# Altium PCB bqCNC.PcbDoc (part 3 of 6)
Units mm, origin at the board's own origin, x right, y up, seen from the top; angles counter-clockwise.
Board outline 136 x 100 mm, 4 copper layers (Top Layer, Power Layer, Signal Layer 1, GND Layer), stack 1.584 mm thick; 429 components, 259 nets, 1361 pads, 782 vias.
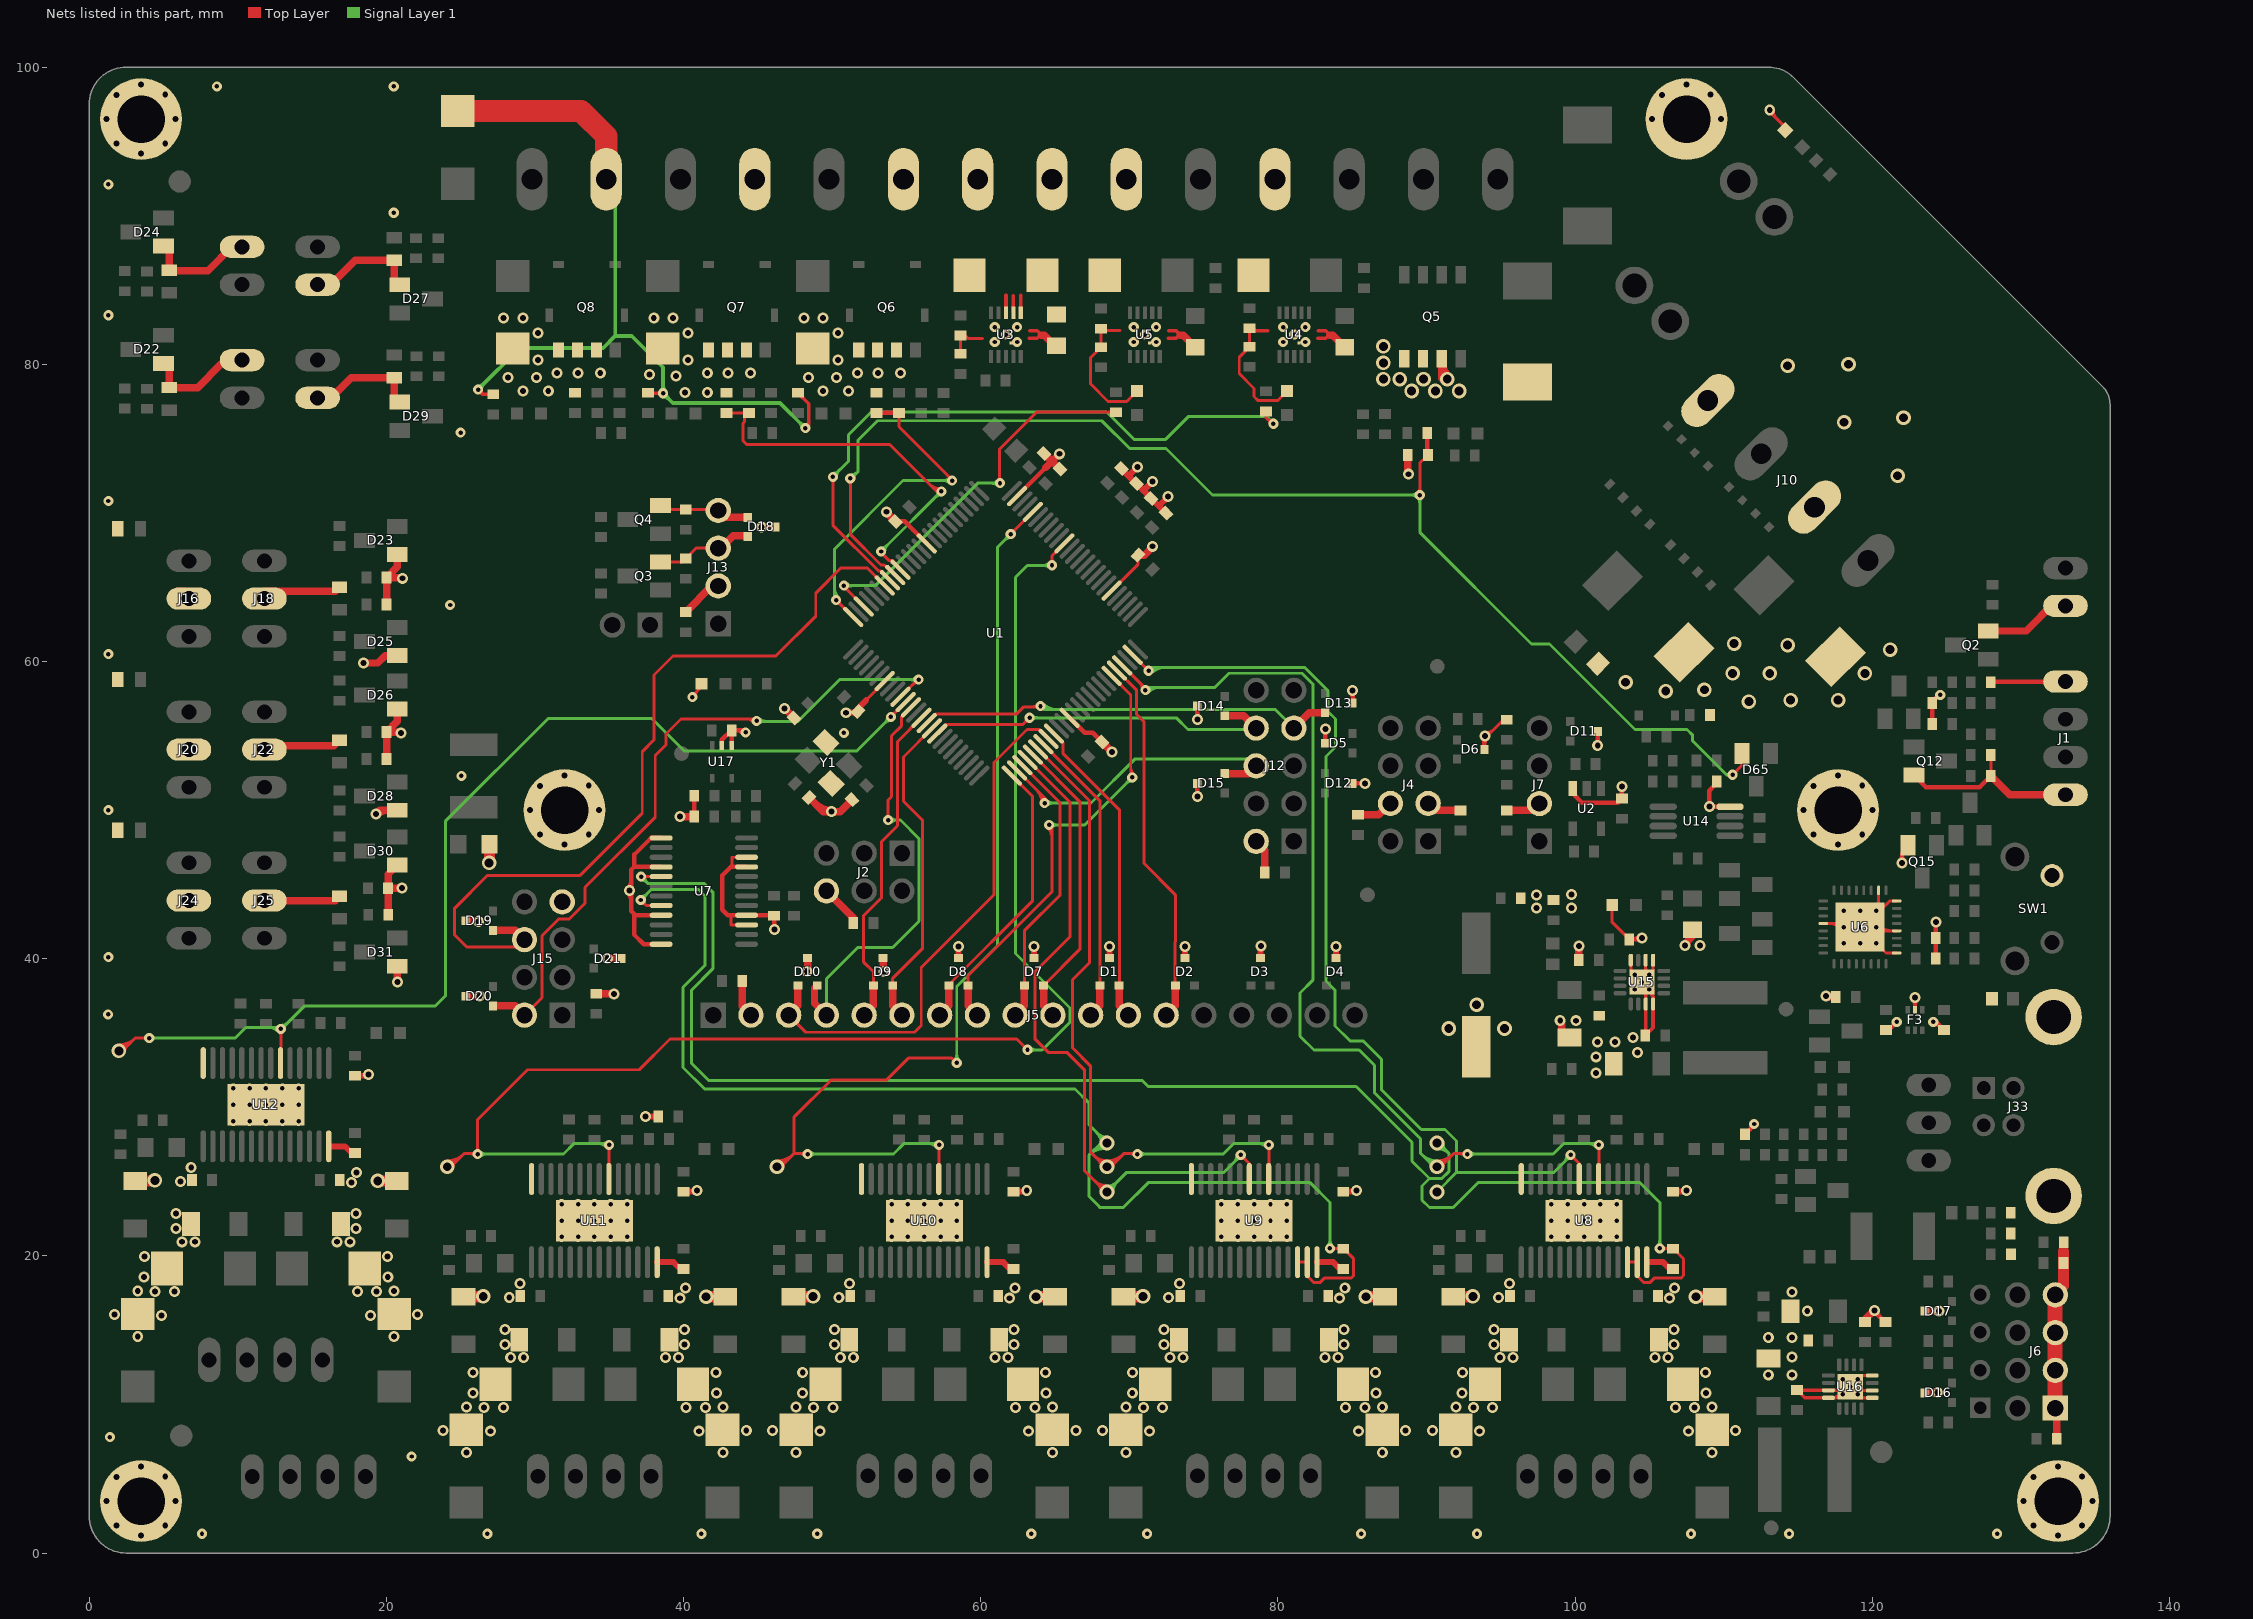
[diagram p5: the nets of this part, all layers, seen from the top]

## Via types
v1: diameter 0.66/0.74/0.74/0.66 (per signal layer), hole 0.4, Top Layer to GND Layer, 361 vias
v2: diameter 0.56/0.68/0.68/0.56 (per signal layer), hole 0.3, Top Layer to GND Layer, 323 vias
v3: diameter 0.86/0.98/0.98/0.86 (per signal layer), hole 0.6, Top Layer to GND Layer, 76 vias
v4: diameter 1, hole 0.6, Top Layer to GND Layer, tented bottom, 20 vias
v5: diameter 0.56/0.68/0.68/0.56 (per signal layer), hole 0.4, Top Layer to GND Layer, 1 vias
v6: diameter 0.56, hole 0.3, Top Layer to GND Layer, 1 vias

## Nets (pads, with @x,y where several pads share a name; then routed paths per layer and width w, separated by ;. In a path a pad name is that pad's centre, name@x,y a point inside that pad or via, vN(x,y) a via of type N, cw(c..) or ccw(c..) an arc to the next point about the centre after c; other vN are vias at no path point) (continued)
D29: D2.1 J5.13 U1.71 | length 25.1
  Top Layer w0.2: U1.71@69.167,59.39 70.498,58.058 70.498,56.427 71,55.925 71,46.4 73.1,44.3 73.1,41.166 73.07,41.136 73.07,38.226 D2.1@73.1,38.196
  Top Layer w0.5: J5.13@72.48,36.2 73.1,36.82 D2.1@73.1,38.196
D31: D1.2 J5.12 U1.59 | length 21.1
  Top Layer w0.2: U1.59@64.924,55.147 65.551,54.52 65.551,53.792 69.355,49.988 69.355,38.231 D1.2@69.32,38.196
  Top Layer w0.5: D1.2@69.32,38.196 69.32,36.82 J5.12@69.94,36.2
D32: D10.1 J5.3 U1.58 | length 36.4
  Top Layer w0.2: J5.3@47.08,36.2 48.23,35.05 55.55,35.05 56,35.5 56,39.4 60.9,44.3 60.9,53.2 63.12,55.42 63.944,55.42 U1.58@64.571,54.794
  Top Layer w0.5: J5.3@47.08,36.2 47.7,36.82 D10.1@47.7,38.196
D33: D1.1 J5.11 U1.57 | length 20.1
  Top Layer w0.2: U1.57@64.217,54.44 64.217,54.433 68.02,50.63 D1.1@68.02,38.196
  Top Layer w0.5: J5.11@67.4,36.2 68.02,36.82 D1.1@68.02,38.196
D35: D7.2 J5.10 U1.55 | length 20.1
  Top Layer w0.2: U1.55@63.51,53.733 66.675,50.568 66.675,40.631 D7.2@64.24,38.196
  Top Layer w0.5: D7.2@64.24,38.196 64.24,36.82 J5.10@64.86,36.2
D37: D7.1 J5.9 U1.53 | length 19.2
  Top Layer w0.2: U1.53@62.803,53.026 65.35,50.479 65.35,44.284 62.94,41.874 D7.1@62.94,38.196
  Top Layer w0.5: J5.9@62.32,36.2 62.94,36.82 62.94,37.482 62.922,37.501 62.922,38.178 D7.1@62.94,38.196
D39: D8.2 J5.8 U1.70 | length 34.2
  Top Layer w0.2: D8.2@59.16,38.196 59.16,38.86 64.8,44.5 v2@64.8,48.8 ; J5.8@59.78,36.2 J5.8@60,36.42 ; v2@64.473,48.873 cw(c63.683,48.083) 64.8,48.083 ; v2(64.6,49) v2@64.8,48.8 ; v2@64.614,49.014 cw(c64.165,48.565) 64.8,48.565 ; v2@64.661,48.831 cw(c64.707,48.707) v2@64.8,48.8 ; v2@64.769,48.939 ccw(c64.893,48.893) v2@64.8,48.8 ; U1.70@68.814,59.036 70.098,57.751 70.098,52.302 v2(70.2,52.2) ; 70.098,52.88 ccw(c70.88,52.88) v2@70.327,52.327
  Top Layer w0.5: D8.2@59.16,38.196 59.16,36.82 J5.8@59.78,36.2
  Signal Layer 1 w0.2: v2(64.6,49) 67,49 v2(70.2,52.2) ; v2@64.77,48.83 cw(c65.179,48.421) 65.179,49 cw(c65.179,49.579) v2@64.77,49.17 ; v2@69.96,52.2 cw(c69.381,52.2) 69.79,51.79 cw(c70.2,51.381) v2@70.2,51.96
D40: D15.2 J12.6 U1.52 | length 23.9
  Top Layer w0.2: U1.52@62.45,52.672 v2@64.35,50.772 ; 63.747,51.374 cw(c62.848,50.475) v2@64.12,50.475 ; 64.089,51.033 cw(c63.531,50.475) v2@64.32,50.475 ; v2@64.255,50.649 ccw(c64.223,50.772) v2@64.35,50.772 ; v2(64.3,50.475) 64.35,50.525 v2@64.35,50.772 ; v2@64.422,50.607 cw(c64.574,50.772) v2@64.35,50.772
  Top Layer w0.5: D15.2@76.425,52.45 78.011,52.45 J12.6@78.539,52.978
  Signal Layer 1 w0.2: v2(64.3,50.475) 67.425,50.475 70.4,53.45 78.067,53.45 J12.6@78.539,52.978 ; v2@64.47,50.305 cw(c64.879,49.896) 64.879,50.475 cw(c64.879,51.054) v2@64.47,50.645
D41: D8.1 J5.7 U1.51 | length 19.3
  Top Layer w0.2: D8.1@57.86,38.196 57.86,38.26 63.5,43.9 63.5,50.915 U1.51@62.096,52.319
  Top Layer w0.5: J5.7@57.24,36.2 57.86,36.82 D8.1@57.86,38.196
D42: D14.1 J12.8 U1.42 | length 26.3
  Top Layer w0.2: U1.42@57.076,55.147 57.702,55.774 62.849,55.774 v2(63.288,56.212) ; v2@63.108,56.212 cw(c62.673,56.212) 62.98,55.905 cw(c63.288,55.598) v2@63.288,56.032
  Top Layer w0.5: D14.1@76.425,56.35 77.707,56.35 J12.8@78.539,55.518
  Signal Layer 1 w0.2: v2(63.288,56.212) 73.163,56.212 73.945,55.43 78.451,55.43 J12.8@78.539,55.518 ; v2@63.457,56.043 cw(c63.867,55.633) 63.867,56.212 cw(c63.867,56.792) v2@63.457,56.382
D43: D9.2 J5.6 U1.41 | length 21.7
  Top Layer w0.2: 54.08,37.9 D9.2@54.08,38.196 54.08,38.68 56.1,40.7 56.1,49.3 54.8,50.6 54.8,53.579 U1.41@56.722,55.501
  Top Layer w0.5: 54.08,37.9 54.08,36.82 J5.6@54.7,36.2
D44: D13.2 J12.7 U1.40 | length 30.8
  Top Layer w0.2: U1.40@56.368,55.854 56.995,56.481 62.431,56.481 62.7,56.75 62.9,56.95 63.975,56.95 v2(64.025,57) ; 63.47,56.95 ccw(c63.47,57.555) v2@63.898,57.127 ; v2@63.711,56.95 cw(c63.711,56.686) v2@63.898,56.873
  Top Layer w0.5: J12.7@81.079,55.518 82.111,56.55 D13.2@83.175,56.55
  Signal Layer 1 w0.2: v2(64.025,57) 64.255,56.77 79.827,56.77 J12.7@81.079,55.518 ; v2@64.053,57.028 ccw(c64.677,57.652) 64.677,56.77 ; v2@64.195,57.17 ccw(c65.16,58.135) 65.16,56.77
D45: D9.1 J5.5 U1.39 | length 22.9
  Top Layer w0.2: J5.5@52.1,36.9 52.16,36.84 J5.5@52.16,36.2 ; 52.78,37.9 D9.1@52.78,38.196 52.78,39.12 52.1,39.8 52.1,42.874 53.31,44.084 53.31,47.86 54.4,48.95 54.4,54.6 56.008,56.208 U1.39@56.015,56.208
  Top Layer w0.5: J5.5@52.16,36.2 52.78,36.82 52.78,37.9
D47: D10.2 J5.4 U1.37 | length 30.6
  Top Layer w0.2: v2@53.648,49.452 ccw(c53.34,49.76) 53.775,49.76 ccw(c54.21,49.76) v2@53.902,49.452 ; v2(53.775,49.325) 53.775,50.675 54,50.9 54,55 54.681,55.681 54.681,56.288 U1.37@55.308,56.915
  Top Layer w0.5: D10.2@49,38.196 48.815,38.011 48.815,37.005 J5.4@49.62,36.2
  Signal Layer 1 w0.2: J5.4@49.62,36.2 49.62,38.645 51.725,40.75 54.075,40.75 55.85,42.525 55.85,48.074 54.599,49.325 v2(53.775,49.325) ; v2@53.945,49.155 cw(c54.354,48.746) 54.354,49.325 cw(c54.354,49.904) v2@53.945,49.495
D49: D20.1 J15.2 U1.35 | length 49.7
  Top Layer w0.2: J15.2@29.3,36.2 30.475,37.375 30.475,41.541 31.604,42.67 32.316,42.67 33.375,43.729 33.375,44.8 38.1,49.525 38.1,53.674 38.821,54.395 38.821,55.121 39.825,56.125 44.725,56.125 v2@45,55.85 ; 44.189,56.125 cw(c44.189,55.264) v2@44.798,55.873 ; v2@44.672,56.125 cw(c44.672,55.747) v2@44.939,56.014 ; U1.35@54.601,57.622 55.754,58.775 v2(55.825,58.775) ; 55.396,58.417 cw(c55.825,57.988) v2@55.825,58.595 ; v2@55.568,58.589 ccw(c55.383,58.775) v2@55.645,58.775
  Top Layer w0.5: D20.1@27.177,36.82 28.68,36.82 J15.2@29.3,36.2
  Signal Layer 1 w0.2: v2@44.85,55.975 47.7,55.975 50.5,58.775 v2(55.825,58.775) ; v2@45.095,55.83 cw(c45.444,55.481) 45.444,55.975 ; v2@45.095,56.17 ccw(c45.565,56.64) 45.565,55.975 ; v2@55.655,58.605 ccw(c55.246,58.196) 55.246,58.775 ccw(c55.246,59.354) v2@55.655,58.945
  other v2: 44.925,56
D53: D19.1 J15.6 U1.19 | length 54.2
  Top Layer w0.2: J15.6@29.3,41.28 28.82,40.8 25.4,40.8 24.6,41.6 24.6,43.4 26.783,45.583 33.017,45.583 37.225,49.791 37.225,53.931 38.021,54.727 38.021,59.096 39.287,60.362 46.213,60.362 48.9,63.049 48.9,64.6 50.6,66.3 52.357,66.3 U1.19@53.54,65.117
  Top Layer w0.5: D19.1@27.177,41.9 28.68,41.9 J15.6@29.3,41.28
DIR1: U1.72 U8.20 | length 77.1
  Top Layer w0.2: U1.72@69.521,59.743 69.532,59.743 71.078,58.197 v2(71.078,58.078) ; 70.687,58.588 cw(c70.177,58.078) v2@70.898,58.078 ; v4(90.7,26) 90.95,26 91.825,26.875 v2@92.775,26.875 ; v4@90.7,26.2 ccw(c90.7,27.286) 91.468,26.518 ; v4@90.7,26.4 ccw(c90.7,27.969) 91.81,26.86 ; v4@91.1,26 cw(c91.462,26) 91.206,26.256 ; 92.255,26.875 cw(c92.255,26.355) v2@92.623,26.723 ; 92.376,26.875 ccw(c92.376,27.224) v2@92.623,26.977 ; v2@101.473,27.348 cw(c101.165,27.04) 101.6,27.04 cw(c102.035,27.04) v2@101.727,27.348 ; U8.20@101.55,25.125 101.6,25.175 v2(101.6,27.475)
  Signal Layer 1 w0.2: v2(71.078,58.078) 71.266,58.265 75.765,58.265 76.708,59.208 81.625,59.208 82.35,58.483 82.35,38.55 81.49,37.69 81.49,34.785 82.425,33.85 85.471,33.85 86.5,32.821 86.5,30.975 89.6,27.875 89.6,26.9 90.5,26 v4@90.6,26 ; v2@71.107,58.05 cw(c71.627,57.529) 71.627,58.265 ; v2@71.248,57.908 cw(c72.11,57.047) 72.11,58.265 ; 89.676,26.824 ccw(c90.7,27.849) v4@90.7,26.4 ; 90.017,26.483 ccw(c90.7,27.166) v4@90.7,26.2 ; 90.159,26.341 cw(c89.817,26) v4@90.3,26 ; v2(92.75,26.85) 98.525,26.85 99.25,27.575 101.5,27.575 v2(101.6,27.475) ; v2@92.92,26.68 cw(c93.329,26.271) 93.329,26.85 cw(c93.329,27.429) v2@92.92,27.02 ; 100.779,27.575 cw(c100.779,26.654) v2@101.43,27.305 ; v2@101.43,27.645 cw(c101.262,27.813) 101.262,27.575 cw(c101.262,27.137) v2@101.572,27.447
DIR2: U1.56 U9.20 | length 52.9
  Top Layer w0.2: U1.56@63.864,54.086 67.325,50.625 67.325,39.725 66.175,38.575 66.175,34 67.375,32.8 67.375,27 v4@68.3,26.075 ; 67.604,26.771 ccw(c68.5,27.667) 68.5,26.4 ccw(c68.5,27.969) 69.61,26.86 ; 67.906,26.469 cw(c67.436,26) v4@68.1,26 ; 67.945,26.43 ccw(c68.5,26.985) 68.5,26.2 ccw(c68.5,27.286) 69.268,26.518 ; v4(68.5,26) 68.75,26 69.625,26.875 v2@70.575,26.875 ; v4@68.9,26 cw(c69.262,26) 69.006,26.256 ; 70.055,26.875 cw(c70.055,26.355) v2@70.423,26.723 ; 70.176,26.875 ccw(c70.176,27.224) v2@70.423,26.977 ; v2@79.273,27.348 cw(c78.965,27.04) 79.4,27.04 cw(c79.835,27.04) v2@79.527,27.348 ; U9.20@79.35,25.125 79.4,25.175 v2(79.4,27.475)
  Signal Layer 1 w0.2: v4@68.3,26 v4@68.4,26 ; v2(70.55,26.85) 76.325,26.85 77.05,27.575 79.3,27.575 v2(79.4,27.475) ; v2@70.72,26.68 cw(c71.129,26.271) 71.129,26.85 cw(c71.129,27.429) v2@70.72,27.02 ; 78.579,27.575 cw(c78.579,26.654) v2@79.23,27.305 ; v2@79.23,27.645 cw(c79.062,27.813) 79.062,27.575 cw(c79.062,27.137) v2@79.372,27.447
DIR3: U1.96 U10.20 | length 77.4
  Top Layer w0.2: v4(46.3,26) 46.55,26 47.425,26.875 ; v4@46.3,26.2 ccw(c46.3,27.286) 47.068,26.518 ; v4@46.3,26.4 ccw(c46.3,27.969) 47.41,26.86 ; v4@46.7,26 cw(c47.062,26) 46.806,26.256 ; 47.855,26.875 cw(c47.855,26.355) v2@48.223,26.723 ; 47.976,26.875 ccw(c47.976,27.224) v2@48.223,26.977 ; v2@48.2,26.9 48.175,26.875 47.425,26.875 ; v2@57.073,27.348 cw(c56.765,27.04) 57.2,27.04 cw(c57.635,27.04) v2@57.327,27.348 ; U10.20@57.15,25.125 57.2,25.175 v2(57.2,27.475) ; 58.104,33.246 cw(c57.848,32.99) v2@58.21,32.99 ; v2@58.385,33.17 cw(c58.372,33.631) 58.045,33.305 ; v2(58.39,32.99) 58.36,32.99 58.045,33.305 ; v2(62.025,68.575) 63.51,70.06 U1.96@63.51,70.067 ; v2@62.025,68.755 ccw(c62.025,69.19) 62.332,68.882 ccw(c62.64,68.575) v2@62.205,68.575 ; 47.425,26.875 47.425,29.325 49.925,31.825 53.65,31.825 55.13,33.305 58.045,33.305
  Signal Layer 1 w0.2: v4@46.1,26 v4@46.2,26 ; v2(48.35,26.85) 54.125,26.85 54.85,27.575 57.1,27.575 v2(57.2,27.475) ; v2@48.52,26.68 cw(c48.929,26.271) 48.929,26.85 cw(c48.929,27.429) v2@48.52,27.02 ; 56.379,27.575 cw(c56.379,26.654) v2@57.03,27.305 ; v2@57.03,27.645 cw(c56.862,27.813) 56.862,27.575 cw(c56.862,27.137) v2@57.172,27.447 ; v2@58.22,33.16 ccw(c57.811,33.569) 58.39,33.569 ccw(c58.969,33.569) v2@58.56,33.16 ; v2(58.39,32.99) 58.39,38.133 61.14,40.883 61.14,67.69 v2(62.025,68.575) ; v2@61.785,68.575 cw(c61.206,68.575) 61.615,68.165 cw(c62.025,67.756) v2@62.025,68.335
DIR4: U1.90 U11.20 | length 105.5
  Top Layer w0.2: v4(24.1,26) 24.35,26 25.225,26.875 v2@26.175,26.875 ; v4@24.1,26.2 ccw(c24.1,27.286) 24.868,26.518 ; v4@24.1,26.4 ccw(c24.1,27.969) 25.21,26.86 ; v4@24.5,26 cw(c24.862,26) 24.606,26.256 ; 25.655,26.875 cw(c25.655,26.355) v2@26.023,26.723 ; 25.776,26.875 ccw(c25.776,27.224) 26.023,26.977 ccw(c25.715,27.285) 26.15,27.285 ccw(c26.585,27.285) v2@26.277,26.977 ; v2(26.15,26.85) v2@26.175,26.875 ; v2@34.873,27.348 cw(c34.565,27.04) 35,27.04 cw(c35.435,27.04) v2@35.127,27.348 ; U11.20@34.95,25.125 35,25.175 v2(35,27.475) ; v2@62.97,33.875 ccw(c62.535,33.875) 62.843,34.182 ccw(c63.15,34.49) v2@63.15,34.055 ; v2(63.15,33.875) 62.425,34.6 39.1,34.6 37.025,32.525 29.5,32.525 26.15,29.175 26.15,26.9 v2@26.175,26.875 ; v2@64.673,66.602 ccw(c64.365,66.91) 64.8,66.91 ccw(c65.235,66.91) v2@64.927,66.602 ; v2(64.8,66.475) 64.8,67.114 U1.90@65.632,67.946
  Signal Layer 1 w0.2: v4@23.9,26 v4@24,26 ; v2(26.15,26.85) 31.925,26.85 32.65,27.575 34.9,27.575 v2(35,27.475) ; v2@26.32,26.68 cw(c26.729,26.271) 26.729,26.85 cw(c26.729,27.429) v2@26.32,27.02 ; 34.179,27.575 cw(c34.179,26.654) v2@34.83,27.305 ; v2@34.83,27.645 cw(c34.662,27.813) 34.662,27.575 cw(c34.662,27.137) v2@34.972,27.447 ; v2@63.15,33.85 64.136,33.85 66.01,35.724 66.01,36.676 62.34,40.346 62.34,65.665 63.135,66.46 64.785,66.46 v2(64.8,66.475) ; v2@63.32,33.705 cw(c63.669,33.356) 63.669,33.85 ; v2@63.32,34.045 ccw(c63.79,34.515) 63.79,33.85 ; 64.184,66.46 ccw(c64.184,67.091) v2@64.63,66.645 ; 64.257,66.46 cw(c64.257,65.932) v2@64.63,66.305
DIR5: U1.36 U12.20 | length 81.6
  Top Layer w0.2: v4(2,33.8) 2.25,33.8 3.125,34.675 v2@4.075,34.675 ; v4@2,34 ccw(c2,35.086) 2.768,34.318 ; v4@2,34.2 ccw(c2,35.769) 3.11,34.66 ; v4@2.4,33.8 cw(c2.762,33.8) 2.506,34.056 ; 3.555,34.675 cw(c3.555,34.155) v2@3.923,34.523 ; 3.676,34.675 ccw(c3.676,35.024) v2@3.923,34.777 ; v2@12.773,35.148 cw(c12.465,34.84) 12.9,34.84 cw(c13.335,34.84) v2@13.027,35.148 ; U12.20@12.85,32.925 12.9,32.975 v2(12.9,35.275) ; v2@53.961,56.136 v2(53.961,56.275) U1.36@54.954,57.268 ; v2@53.961,56.455 ccw(c53.961,56.89) 54.268,56.582 ccw(c54.575,56.275) v2@54.141,56.275
  Signal Layer 1 w0.2: v4@1.8,33.8 v4@1.9,33.8 ; v2(4.05,34.65) 9.825,34.65 10.55,35.375 12.8,35.375 v2(12.9,35.275) ; 12.079,35.375 cw(c12.079,34.454) v2@12.73,35.105 ; v2@12.73,35.445 cw(c12.562,35.613) 12.562,35.375 cw(c12.562,34.937) v2@12.872,35.247 ; v2@12.9,35.515 ccw(c12.9,36.215) 13.395,35.72 ; v2@12.925,35.25 14.475,36.8 23.275,36.8 24,37.525 24,49.275 30.875,56.15 37.875,56.15 40.05,53.975 51.661,53.975 v2(53.961,56.275) ; v2@13.14,35.275 cw(c13.599,35.275) 13.274,35.599 ; v2@53.721,56.275 cw(c53.141,56.275) 53.551,55.865 cw(c53.961,55.456) v2@53.961,56.035
E0_FAN: R44.1 R45.2 U1.25 | length 25.9
  Top Layer w0.2: v2@50.275,63.945 cw(c50.275,63.51) 50.582,63.818 cw(c50.89,64.125) v2@50.455,64.125 ; v2(50.275,64.125) 51.404,62.996 U1.25@51.419,62.996 ; R44.1@54.5,76.725 54.5,75.8 58.1,72.2 v2(58.075,72.175) ; 57.732,72.568 cw(c57.34,72.175) v2@57.895,72.175 ; 57.853,72.447 ccw(c58.075,72.669) v2@58.075,72.355
  Top Layer w0.3: R45.2@53,76.725 R44.1@54.5,76.725
  Signal Layer 1 w0.2: 50.16,64.499 ccw(c50.649,64.499) v2@50.303,64.153 ; 50.16,64.982 ccw(c51.132,64.982) v2@50.445,64.295 ; v2(50.275,64.125) 50.16,64.24 50.16,67.558 54.777,72.175 v2(58.075,72.175) ; v2@57.905,72.005 ccw(c57.496,71.596) 57.496,72.175 ccw(c57.496,72.754) v2@57.905,72.345
E0_HEATER: R47.1 U1.18 | length 46.8
  Top Layer w0.2: v2@49.923,72.298 cw(c49.615,71.99) 50.05,71.99 cw(c50.485,71.99) v2@50.177,72.298 ; v2(50.05,72.425) 50.05,69.173 53.125,66.098 53.267,66.098 U1.18@53.894,65.471 ; R47.1@79.2,76.825 79.2,76.4 79.6,76 v2(79.7,76) ; 79.222,76.378 ccw(c79.7,76.855) v2@79.7,76.18
  Signal Layer 1 w0.2: v2(50.05,72.425) 51.1,73.475 51.1,75.25 52.625,76.775 68.5,76.775 70.325,74.95 72.45,74.95 74,76.5 79.2,76.5 v2(79.7,76) ; v2@50.05,72.665 ccw(c50.05,73.244) 50.46,72.835 ccw(c50.869,72.425) v2@50.29,72.425 ; v2@79.46,76 ccw(c78.88,76) 79.29,76.41 ccw(c79.7,76.819) v2@79.7,76.24
E0_M_REF: C63.2 U7.17 U8.12 U8.13 | length 111.9
  Top Layer w0.2: v2(37.15,45.525) U7.17@38.5,45.525 ; v2@37.277,45.398 cw(c37.585,45.09) 37.585,45.525 cw(c37.585,45.96) v2@37.277,45.652 ; U8.12@103.6,19.6 103.625,19.575 U8.13@104.179,19.575 104.179,18.653 104.632,18.2 105.026,18.2 105.322,18.496 107.124,18.496 107.3,18.672 107.3,19.8 C63.2@106.5,20.6 ; U8.13@104.1,20.5 U8.13@104.182,20.5 ; v2(105.7,20.5) C63.2@106.5,20.5 ; v2@105.827,20.373 cw(c106.135,20.065) 106.135,20.5 cw(c106.135,20.935) v2@105.827,20.627
  Signal Layer 1 w0.2: v2@37.15,45.285 cw(c37.15,44.706) 37.56,45.115 cw(c37.969,45.525) v2@37.39,45.525 ; v2(37.15,45.525) 37.625,45.05 41.4,45.05 41.975,44.475 41.975,39.325 40.55,37.9 40.55,32.95 41.7,31.8 70.875,31.8 71.275,31.4 85.27,31.4 89.025,27.645 89.025,26.375 90.2,25.2 ; v4@90.7,27.7 91.5,26.9 ; v4@90.71,27.4 cw(c90.741,26.778) 91.181,27.219 ; v4@90.72,27.201 cw(c90.771,26.172) 91.5,26.9 ; v4@91.1,27.6 ccw(c91.824,27.6) 91.312,27.088 ; v2@105.53,20.67 ccw(c105.121,21.079) 105.7,21.079 ccw(c106.279,21.079) v2@105.87,20.67 ; v2(105.7,20.5) 105.85,20.5 105.7,20.65 105.7,23.6 104.375,24.925 93.475,24.925 91.8,23.25 90.2,23.25 89.7,23.75 89.7,24.7 90.2,25.2 ; 90.2,25.2 91.031,25.2 91.5,25.669 91.5,26.9
  other v4: 90.7,27.6
E0_M_STEP: U1.74 U8.22 | length 68.2
  Top Layer w0.2: U1.74@70.228,60.45 70.228,60.447 v2(71.3,59.375) ; v2@71.12,59.375 ccw(c70.685,59.375) 70.993,59.682 ccw(c71.3,59.99) v2@71.3,59.555 ; v2@99.7,26.62 cw(c99.7,26.185) 100.007,26.493 cw(c100.315,26.8) v2@99.88,26.8 ; v2(99.7,26.8) 100.279,26.221 U8.22@100.279,25.175
  Signal Layer 1 w0.2: v2(71.3,59.375) 71.533,59.608 81.791,59.608 83.375,58.024 83.375,56.625 83.87,56.13 83.87,54.245 83.23,53.605 83.23,38.495 83.85,37.875 83.85,35.475 84.85,34.475 85.725,34.475 86.975,33.225 86.975,31.175 89.65,28.5 91.25,28.5 92.025,27.725 92.025,25.625 ; v2@71.328,59.347 cw(c71.959,58.716) 71.959,59.608 ; v2@71.47,59.205 cw(c72.442,58.233) 72.442,59.608 ; v4(90.7,24.3) 92.025,25.625 ; 99.255,26.305 ccw(c98.76,26.8) v2@99.46,26.8 ; 99.376,26.426 cw(c99.7,26.101) v2@99.7,26.56 ; v2@99.675,26.725 98.575,25.625 92.025,25.625
E1_FAN: R51.1 R52.2 U1.16 | length 30
  Top Layer w0.2: R52.2@42.9,76.725 R51.1@44.4,76.725 ; R51.1@44.1,76.675 44.1,76.125 44.004,76.029 44.004,74.851 44.255,74.6 53.875,74.6 57.075,71.4 57.3,71.4 v2(57.35,71.45) ; v2@53.3,67.22 cw(c53.3,66.995) v2@53.459,67.154 ; v2(53.3,67.4) 53.3,67.313 53.808,66.805 54.031,66.805 54.601,66.235 U1.16@54.601,66.178 ; v2@53.48,67.4 ccw(c54.124,67.4) 53.669,66.944 ; 56.488,71.987 ccw(c57.35,72.849) v2@57.35,71.63 ; 56.829,71.646 ccw(c57.35,72.166) v2@57.35,71.43
  Signal Layer 1 w0.2: v2(53.3,67.4) 53.45,67.4 53.5,67.35 53.5,67.6 v2(57.35,71.45) ; v2@53.3,67.64 ccw(c53.3,68.219) 53.71,67.81 ccw(c54.119,67.4) v2@53.54,67.4 ; v2@57.11,71.45 cw(c56.531,71.45) 56.94,71.04 cw(c57.35,70.631) v2@57.35,71.21
E1_HEATER: R54.1 U1.23 | length 29.7
  Top Layer w0.2: v2@50.8,64.92 cw(c50.8,64.657) v2@50.986,64.843 ; v2(50.8,65.1) 50.8,65.029 U1.23@52.126,63.703 ; v2@50.98,65.1 ccw(c51.586,65.1) 51.158,64.671 ; v2@61.173,72.127 ccw(c60.982,72.318) v2@61.252,72.318 ; 61.252,72.551 ccw(c61.851,72.551) v2@61.427,72.127 ; v2(61.3,72) 61.3,72.2 61.252,72.248 61.252,74.264 63.762,76.775 R54.1@69.1,76.775
  Signal Layer 1 w0.2: v2(50.8,65.1) 52.9,65.1 59.8,72 v2(61.3,72) ; v2@50.97,64.93 cw(c51.379,64.521) 51.379,65.1 cw(c51.379,65.679) v2@50.97,65.27 ; v2@61.13,71.83 ccw(c60.721,71.421) 60.721,72 ccw(c60.721,72.579) v2@61.13,72.17
E1_M_REF: C72.2 U7.20 U9.12 U9.13 | length 90.9
  Top Layer w0.2: v2@37.125,43.77 cw(c37.125,43.335) 37.432,43.643 cw(c37.74,43.95) v2@37.305,43.95 ; v2(37.125,43.95) 37.5,43.575 U7.20@38.5,43.575 ; U9.12@81.4,19.6 81.425,19.575 U9.13@81.979,19.575 81.979,18.653 82.432,18.2 82.826,18.2 83.122,18.496 84.924,18.496 85.1,18.672 85.1,19.8 C72.2@84.3,20.6 ; U9.13@81.9,20.5 U9.13@81.982,20.5 ; v2(83.5,20.5) C72.2@84.3,20.5 ; v2@83.627,20.373 cw(c83.935,20.065) 83.935,20.5 cw(c83.935,20.935) v2@83.627,20.627
  Signal Layer 1 w0.2: v2(37.125,43.95) 37.825,44.65 41.025,44.65 41.45,44.225 41.45,39.55 39.975,38.075 39.975,32.675 41.425,31.225 66.35,31.225 67.3,30.275 67.3,28.8 v4@68.325,27.775 ; v2@37.125,44.19 ccw(c37.125,44.769) 37.535,44.36 ccw(c37.944,43.95) v2@37.365,43.95 ; 67.593,27.093 cw(c68.354,26.331) v4@68.477,27.401 ; 67.886,27.386 cw(c68.415,26.857) v4(68.5,27.6) v4@68.1,27.6 ; 68,23.25 69.6,23.25 71.275,24.925 82.175,24.925 83.5,23.6 83.5,20.65 83.65,20.5 v2(83.5,20.5) ; 68.025,23.275 67.3,24 67.3,26.8 ; v4@68.454,27.203 ccw(c68.294,25.806) 67.3,26.8 ; v4@68.5,28 cw(c68.5,28.966) 67.817,28.283 cw(c67.134,27.6) v4@68.1,27.6 ; v2@83.33,20.67 ccw(c82.921,21.079) 83.5,21.079 ccw(c84.079,21.079) v2@83.67,20.67 ; 67.3,26.8 v4@68.1,27.6
E1_M_STEP: U1.54 U9.22 | length 54.9
  Top Layer w0.2: U1.54@63.157,53.379 66,50.536 66,41.457 63.64,39.097 63.64,34.61 64.575,33.675 65.825,33.675 66.975,32.525 66.975,25.75 v4@68.275,24.45 ; 67.952,24.847 cw(c67.751,24.097) v4(68.5,24.3) cw(c68.583,24.922) 67.977,24.759 ; 68.287,24.757 cw(c68.139,24.202) v4@68.693,24.352 ; v2@77.5,26.62 cw(c77.5,26.185) 77.807,26.493 cw(c78.115,26.8) v2@77.68,26.8 ; v2(77.5,26.8) 78.079,26.221 U9.22@78.079,25.175 ; 67.689,25.036 ccw(c68.5,25.847) 68.5,24.7 cw(c68.5,25.847) 67.689,25.036 ; 67.87,24.855 cw(c67.315,24.3) 68.1,24.3 ccw(c67.315,24.3) 67.87,24.855 ; 68.031,24.694 ccw(c68.5,25.164) 68.5,24.5 cw(c68.5,25.164) 68.031,24.694
  Signal Layer 1 w0.2: v4(68.5,24.3) 69.825,25.625 76.375,25.625 v2@77.475,26.725 ; v4@68.5,24.7 ccw(c68.5,25.666) 69.183,24.983 ccw(c69.866,24.3) v4@68.9,24.3 ; 77.055,26.305 ccw(c76.56,26.8) v2@77.26,26.8 ; 77.176,26.426 cw(c77.5,26.101) v2@77.5,26.56